# Altium PCB PCB1.PcbDoc (part 1 of 3)
Units mm, origin at the board's own origin, x right, y up, seen from the top; angles counter-clockwise.
Board outline 165.85 x 112.86 mm, 4 copper layers (Top Layer, Layer 1, Layer 2, Bottom Layer), stack 0.603 mm thick; 124 components, 136 nets, 510 pads, 68 vias.
Unrouted connection lines stored in the file: 1.
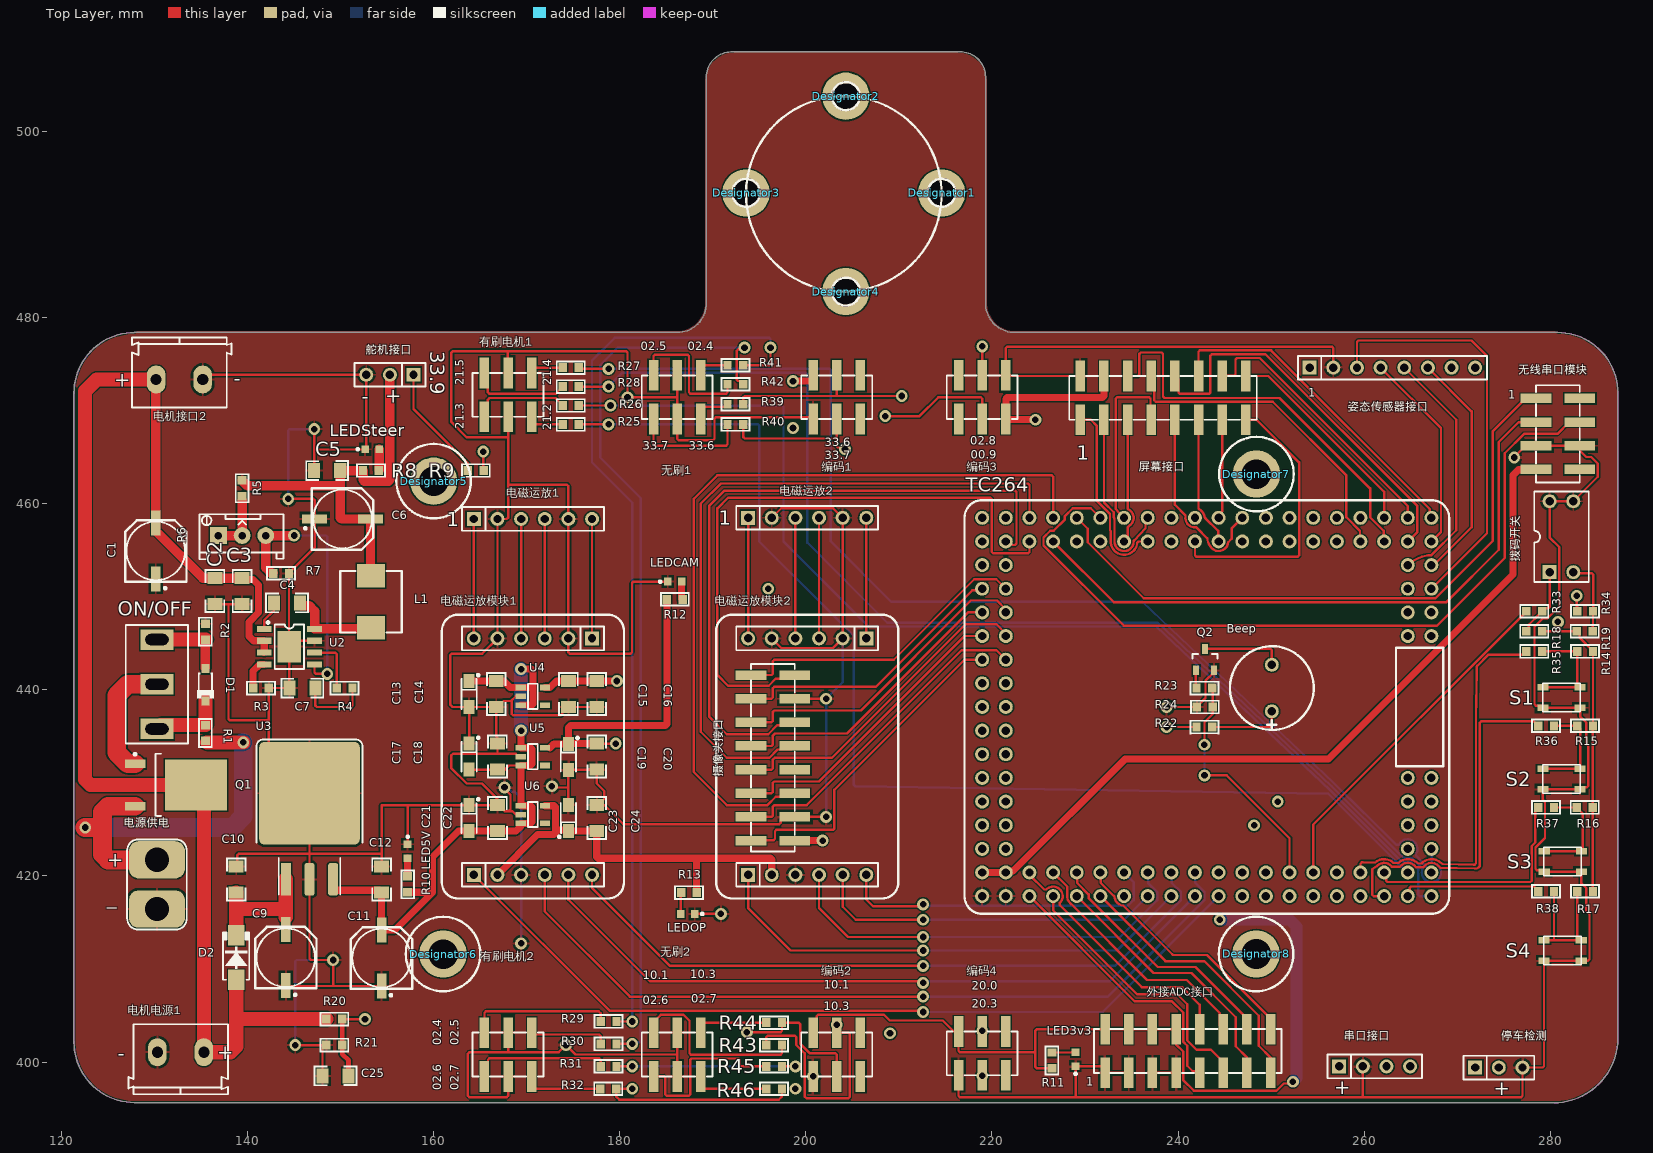
[diagram p0: Top Layer view]
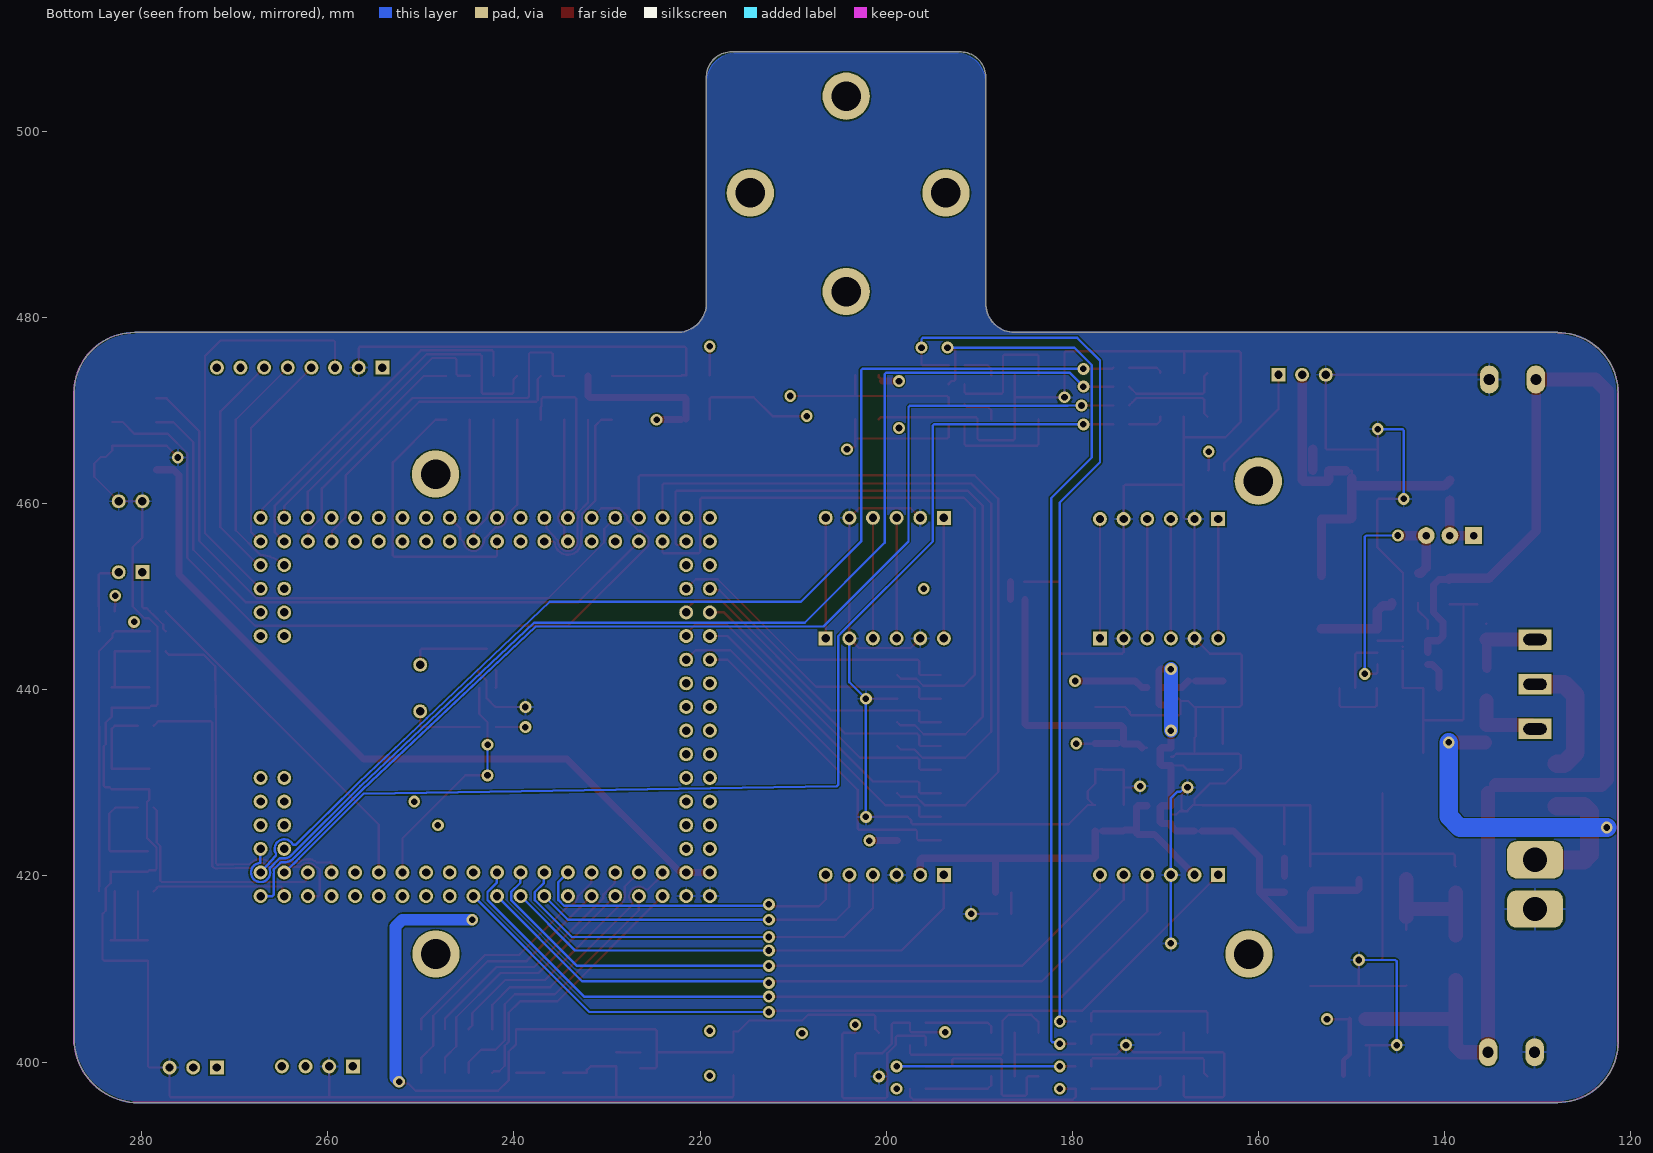
[diagram p1: Bottom Layer view, seen from below]
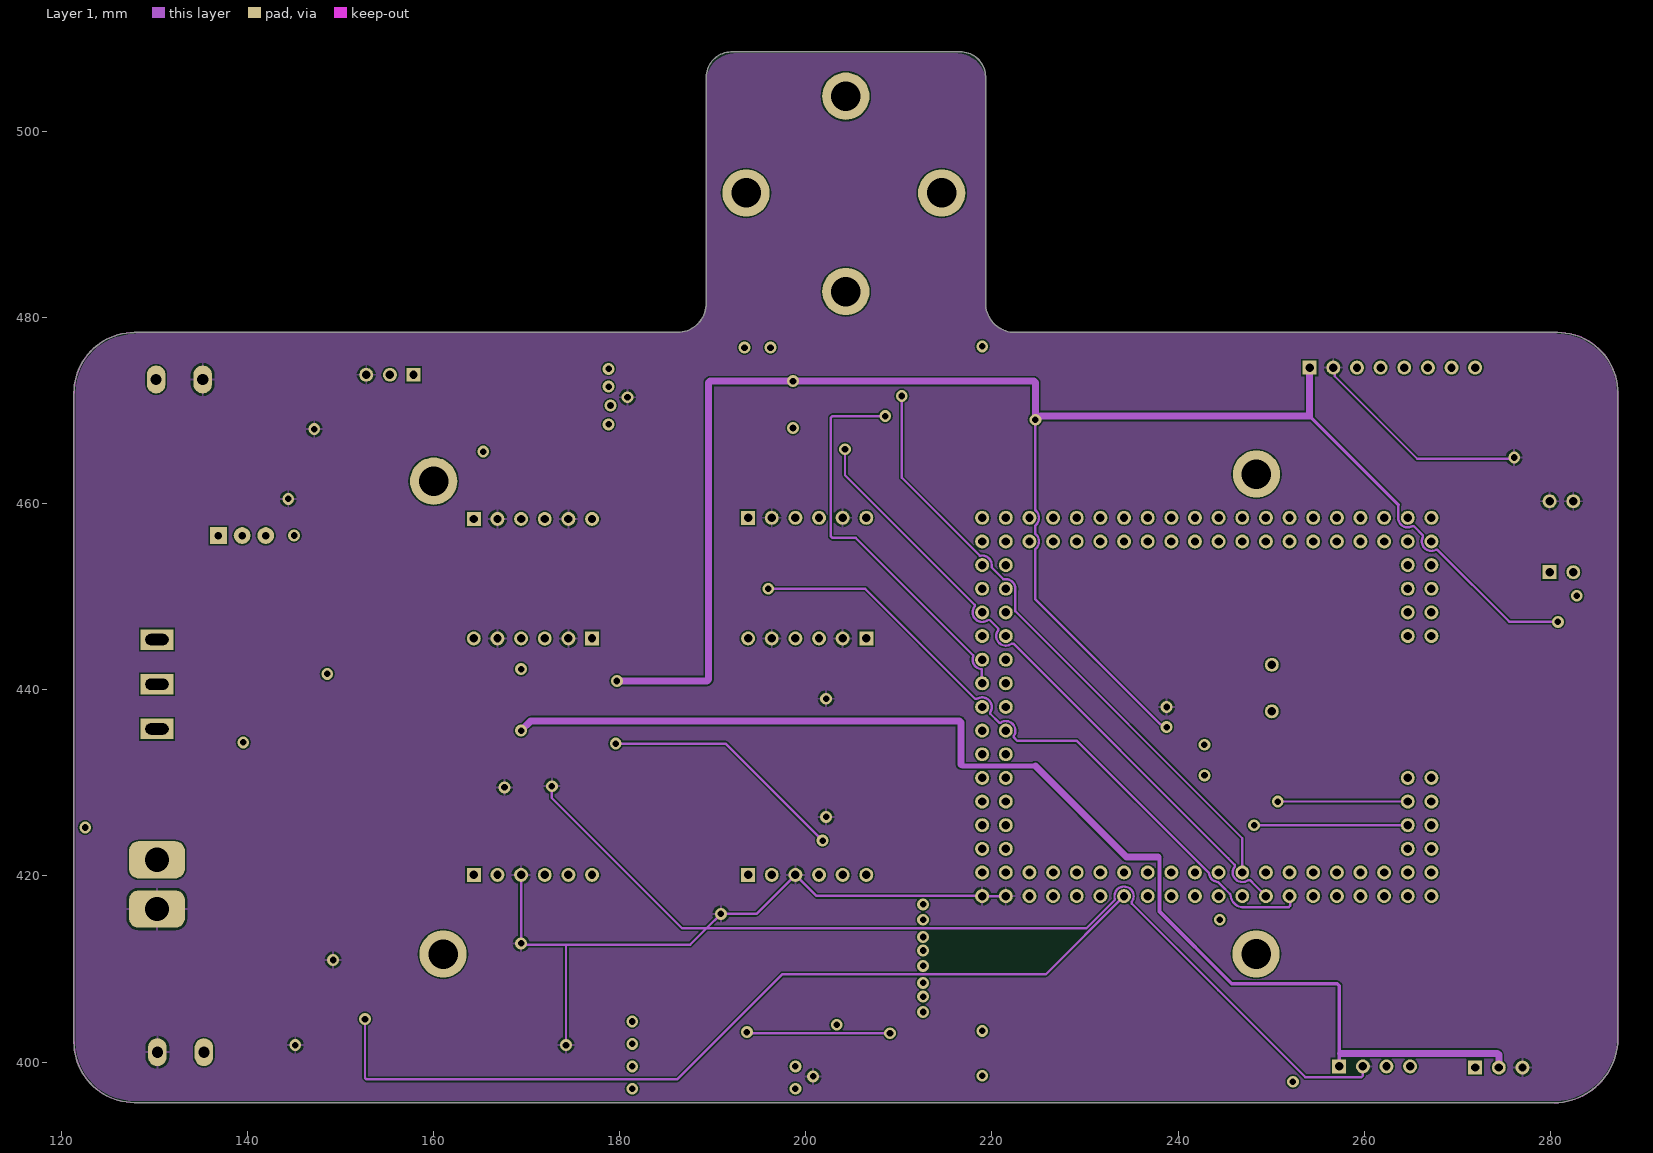
[diagram p2: Layer 1]
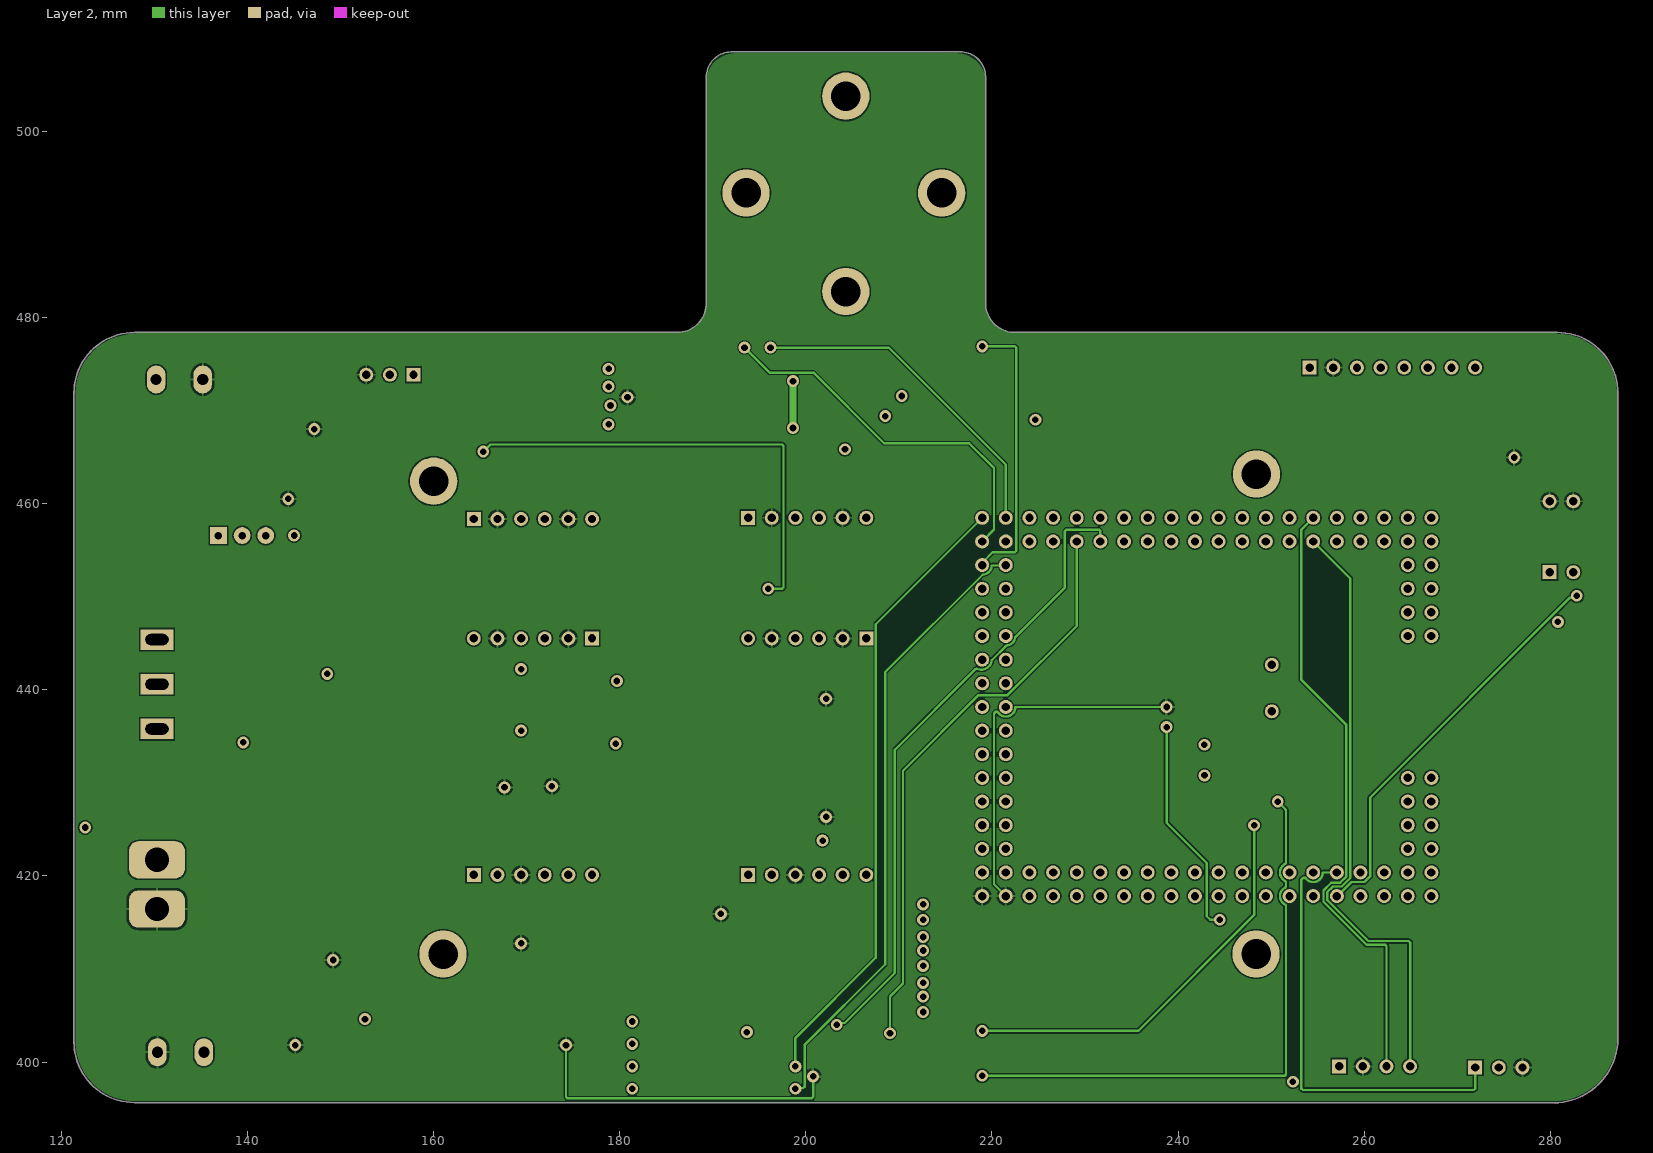
[diagram p3: Layer 2]

## Layer stack, top to bottom
Top Solder: solder mask 0.0102, Solder Resist, Dk 3.5
Top Layer: signal copper 0.0356
Dielectric 2: prepreg 0.0711, PP-006, Dk 4.1
Layer 1: signal copper 0.035
Dielectric 1: dielectric 0.32, FR-4, Dk 4.8
Layer 2: signal copper 0.035
Dielectric 3: prepreg 0.0711, PP-006, Dk 4.1
Bottom Layer: signal copper 0.0356
Bottom Solder: solder mask 0.0102, Solder Resist, Dk 3.5

## Board outline
127.874,395.659 cw(c127.874,402.156) 121.377,402.156 121.377,471.871 cw(c127.874,471.871) 127.874,478.368 127.884,478.378 186.213,478.378 ccw(c186.172,481.515) 189.309,481.556 189.316,481.563 189.316,505.796 cw(c191.998,505.829) 191.964,508.511 215.271,508.511 216.591,508.521 cw(c216.625,505.839) 219.306,505.873 219.306,481.558 219.309,481.556 ccw(c222.486,481.556) 222.486,478.378 280.734,478.378 cw(c280.734,471.881) 287.231,471.881 287.231,401.987 287.211,401.967 cw(c280.289,402.581) 280.903,395.659

## Design rules (kind name [scope] priority, off if disabled: settings)
Clearance [All] p1: gap=0.152 ignorepadtopadclearanceinfootprint=TRUE
MinimumSolderMaskSliver MinimumSolderMaskSliver_chipPin [HasFootprint('TC264_CoreBoard')] p1: minsoldermaskwidth=0
PolygonConnect [All] p1: connectstyle=Relief reliefconductorwidth=0.254 reliefentries=4 polygonreliefangle="90 Angle" airgapwidth=0.254
RoutingVias [All] p1: holewidth=0.711 width=1.27 viastyle="Through Hole" minholewidth=0.711 minwidth=1.27 maxholewidth=0.711 maxwidth=1.27
SMDEntry [All] p1: side=TRUE corner=TRUE anyangle=FALSE
SolderMaskExpansion [All] p1: expansion=0.102 istentingtop=FALSE
UnRoutedNet [All] p1: checkbadconnections=TRUE
Width [All] p1: maxlimit=2.54 minlimit=0.254 preferedwidth=0.254 minimp=50.000000 maximp=50.000000 favimp=50.000000
28 further rules are at their usual default settings.

## Classes and differential pairs
component class Sheet1: B1 C1 C2 C3 C4 C5 C6 C7 C9 C10 C11 C12 C13 C14 C15 C16 C17 C18 C19 C20 C21 C22 C23 C24 C25 D1 D2 L1 LED3v3 LED5V LEDCAM LEDOP LEDSteer ON/OFF P1 P2 P3 P4 P5 P6 P7 P8 P9 P10 P11 P12 P13 P14 P15 P16 P17 P18 Q1 Q2 R1 R2 R3 R4 R5 R6 R7 R8 R9 R10 R11 R12 R13 R14 R15 R16 R17 R18 R19 R20 R21 R22 R23 R24 R25 R26 R27 R28 R29 R30 R31 R32 R33 R34 R35 R36 R37 R38 R39 R40 R41 R42 R43 R44 R45 R46 S1 S2 S3 S4 S5 U2 U3 U4 U5 U6 电机接口2 电机电源1 电源供电 电磁运放模块1 电磁运放模块2 舵机指示灯

## Components (designator, comment, footprint, x,y, rotation, side; value= is the part's Value field where it differs from the comment)
Beep "BEEP" "BEEP 9x5.5mm" 250.063,440.182 r90 top (schematic designator B1)
C1 "220uF 16V" CAPS6.3 130.175,454.914 r270 top value=220uF
C2 "4.7uF ±10% 50V" CAPC3216[1206]S 136.525,450.596 r90 top value=4.7uF
C3 "100nF ±10% 50V" CAPC3216[1206]S 139.446,450.596 r90 top value=100nF
C4 "100nF ±10% 50V" CAPC3216[1206]S 144.272,449.326 r0 top value=100nF
C5 "47uF ±10% 50V" CAPC3216[1206]S 148.59,463.55 r0 top value=47uF
C6 "220uF 16V" CAPS6.3 150.241,458.343 r180 top value=220uF
C7 "4.7uF ±10% 50V" CAPC3216[1206]S 145.92,440.182 r0 top value=4.7uF
C9 "100uF 25V" CAPS6.3 144.145,411.226 r270 top value=100uF
C10 "100nF ±10% 50V" CAPC3216[1206]S 138.811,419.608 r270 top value=100nF
C11 "220uF 16V" CAPS6.3 154.432,411.178 r270 top value=220uF
C12 "100nF ±10% 50V" CAPC3216[1206]S 154.432,419.611 r270 top value=100nF
C13 "10uF 16V" CAPT3216 163.83,439.547 r270 top value=10uF
C14 "100nF ±10% 50V" CAPC3216[1206]S 166.751,439.547 r270 top value=100nF
C15 "100nF ±10% 50V" CAPC3216[1206]S 174.498,439.547 r270 top value=100nF
C16 "100nF ±10% 50V" CAPC3216[1206]S 177.546,439.547 r270 top value=100nF
C17 "10uF 16V" CAPT3216 163.83,432.816 r270 top value=10uF
C18 "100nF ±10% 50V" CAPC3216[1206]S 166.878,432.816 r270 top value=100nF
C19 "10uF 16V" CAPT3216 174.498,432.791 r270 top value=10uF
C20 "100nF ±10% 50V" CAPC3216[1206]S 177.546,432.841 r90 top value=100nF
C21 "10uF 16V" CAPT3216 163.83,426.209 r270 top value=10uF
C22 "100nF ±10% 50V" CAPC3216[1206]S 166.878,426.212 r270 top value=100nF
C23 "10uF 16V" CAPT3216 174.498,426.215 r90 top value=10uF
C24 "100nF ±10% 50V" CAPC3216[1206]S 177.546,426.212 r270 top value=100nF
C25 "100nF ±10% 50V" CAPC3216[1206]S 149.479,398.526 r180 top value=100nF
D1 "BZT52C16" SOD-123-L 135.509,440.535 r270 top
D2 "SS54" SMA[DO-214AC] 138.811,411.226 r90 top
Designator1 "Comment" "M3 125X200" 214.597,493.365 r0 top
Designator2 "Comment" "M3 125X200" 204.302,503.764 r0 top
Designator3 "Comment" "M3 125X200" 193.586,493.365 r0 top
Designator4 "Comment" "M3 125X200" 204.302,482.777 r0 top
Designator5 "Comment" M3x4_L 160.02,462.413 r0 top
Designator6 "Comment" M3x4_L 161.036,411.607 r0 top
Designator7 "Comment" M3x4_L 248.412,463.169 r0 top
Designator8 "Comment" M3x4_L 248.372,411.614 r0 top
L1 "4.7uH 5A" "0630 TPC 7*7*3" 153.289,449.453 r90 top value=4.7uH
LED3v3 "翠绿贴片LED" LEDC1608(0603) 228.981,400.292 r90 top
LED5V "翠绿贴片LED" LEDC1608(0603) 157.226,422.656 r270 top
LEDCAM "翠绿贴片LED" LEDC1608(0603) 185.916,451.612 r0 top
LEDOP "翠绿贴片LED" LEDC1608(0603) 187.325,415.925 r180 top
LEDSteer "翠绿贴片LED" LEDC1608(0603) 153.416,465.836 r0 top
ON/OFF "SW-SPDT" SS12D10 130.302,440.589 r90 top
Q1 "HY19P03" TO-252AA 131.218,429.768 r0 top
Q2 "S8050" SOT-23 242.89,443.237 r90 top
R1 "4.7K ±1%" RESC1608[0603]S-N 135.509,435.356 r90 top value=4.7K
R2 "1K ±1%" RESC1608[0603]S-N 135.509,446.239 r270 top value=1K
R3 "200K ±1%" RESC1608[0603]S-N 141.478,440.182 r180 top value=200K
R4 "20K ±1%" RESC1608[0603]S-N 150.456,440.182 r0 top value=20K
R5 "15K ±1%" RESC1608[0603]S-N 139.446,461.645 r90 top value=15K
R6 "10K" RESPOT3296 139.446,456.565 r0 top
R7 "3.3K ±1%" RESC1608[0603]S-N 143.637,452.501 r180 top value=3.3K
R8 "10K ±1%" RESC1608[0603]S-N 153.289,463.55 r180 top value=10K
R9 "100R ±1%" RESC1608[0603]S-N 164.553,463.55 r180 top value=100R
R10 "2.7K ±1%" RESC1608[0603]S-N 157.226,419.1 r90 top value=2.7K
R11 "2.7K ±1%" RESC1608[0603]S-N 226.441,400.177 r90 top value=2.7K
R12 "2.7K ±1%" RESC1608[0603]S-N 185.928,449.707 r0 top value=2.7K
R13 "2.7K ±1%" RESC1608[0603]S-N 187.452,418.211 r180 top value=2.7K
R14 "4.7K ±1%" RESC1608[0603]S-N 283.718,444.119 r180 top value=4.7K
R15 "4.7K ±1%" RESC1608[0603]S-N 283.718,436.118 r180 top value=4.7K
R16 "4.7K ±1%" RESC1608[0603]S-N 283.679,427.355 r180 top value=4.7K
R17 "4.7K ±1%" RESC1608[0603]S-N 283.718,418.338 r180 top value=4.7K
R18 "4.7K ±1%" RESC1608[0603]S-N 278.257,446.278 r180 top value=4.7K
R19 "4.7K ±1%" RESC1608[0603]S-N 283.679,446.278 r0 top value=4.7K
R20 "30K ±1%" RESC1608[0603]S-N 149.352,404.622 r0 top value=30K
R21 "10K ±1%" RESC1608[0603]S-N 149.352,401.828 r180 top value=10K
R22 "10R ±1%" RESC1608[0603]S-N 242.824,435.991 r0 top value=10R
R23 "4.7K ±1%" RESC1608[0603]S-N 242.824,440.182 r180 top value=4.7K
R24 "10K ±1%" RESC1608[0603]S-N 242.863,438.15 r180 top value=10K
R25 "100R ±1%" RESC1608[0603]S-N 174.752,468.503 r180 top value=100R
R26 "100R ±1%" RESC1608[0603]S-N 174.752,470.535 r0 top value=100R
R27 "100R ±1%" RESC1608[0603]S-N 174.752,474.599 r180 top value=100R
R28 "100R ±1%" RESC1608[0603]S-N 174.752,472.567 r0 top value=100R
R29 "100R ±1%" RESC1608[0603]S-N 178.816,404.368 r180 top value=100R
R30 "100R ±1%" RESC1608[0603]S-N 178.816,401.955 r0 top value=100R
R31 "100R ±1%" RESC1608[0603]S-N 178.816,399.542 r180 top value=100R
R32 "100R ±1%" RESC1608[0603]S-N 178.777,397.129 r0 top value=100R
R33 "470R ±1%" RESC1608[0603]S-N 278.257,448.437 r180 top value=470R
R34 "470R ±1%" RESC1608[0603]S-N 283.718,448.437 r180 top value=470R
R35 "470R ±1%" RESC1608[0603]S-N 278.257,444.119 r180 top value=470R
R36 "470R ±1%" RESC1608[0603]S-N 279.527,436.118 r180 top value=470R
R37 "470R ±1%" RESC1608[0603]S-N 279.527,427.355 r180 top value=470R
R38 "470R ±1%" RESC1608[0603]S-N 279.527,418.338 r180 top value=470R
R39 "100R ±1%" RESC1608[0603]S-N 192.446,470.662 r180 top value=100R
R40 "100R ±1%" RESC1608[0603]S-N 192.444,468.503 r0 top value=100R
R41 "100R ±1%" RESC1608[0603]S-N 192.444,474.853 r180 top value=100R
R42 "100R ±1%" RESC1608[0603]S-N 192.444,472.821 r0 top value=100R
R43 "100R ±1%" RESC1608[0603]S-N 196.596,401.828 r0 top value=100R
R44 "100R ±1%" RESC1608[0603]S-N 196.596,404.241 r0 top value=100R
R45 "100R ±1%" RESC1608[0603]S-N 196.596,399.542 r180 top value=100R
R46 "100R ±1%" RESC1608[0603]S-N 196.596,397.129 r0 top value=100R
S1 "Button" PTS810-3*4-CurvePin 281.178,439.166 r0 top
S2 "Button" PTS810-3*4-CurvePin 281.178,430.403 r0 top
S3 "Button" PTS810-3*4-CurvePin 281.32,421.535 r0 top
S4 "Button" PTS810-3*4-CurvePin 281.305,411.988 r0 top
TC264 "TC264_CoreBoard" TC264_CoreBoard 218.948,417.83 r90 top
U2 "SCT2450" SOP-8E 144.526,444.627 r0 top
U3 "SPX2940-5.0" TO-263-3 146.685,424.256 r0 top
U4 "RT9013-33" SOT-23-5 170.688,439.293 r0 top
U5 "RT9013-33" SOT-23-5 170.688,432.816 r0 top
U6 "RT9013-33" SOT-23-5 170.688,426.593 r0 top
串口接口 "Header 4" HDR1X4 257.302,399.542 r0 top (schematic designator P16)
停车检测 "Header 3" HDR1X3 271.907,399.415 r0 top (schematic designator P17)
外接ADC接口 "Header 8X2" HDR2X8-M-SMT 241.046,401.193 r0 top (schematic designator P10)
姿态传感器接口 "Header 8" HDR1X8 254.127,474.599 r0 top (schematic designator P4)
屏幕接口 "Header 8X2" HDR2X8-M-SMT 238.379,471.361 r0 top (schematic designator P3)
拨码开关 "SW DIP-2" "Code SW-2-DIP-2.54" 281.178,456.438 r0 top (schematic designator S5)
摄像头接口 "Header 8X2" HDR2X8-M-SMT 196.469,432.689 r270 top (schematic designator P5)
无刷1 "Header 3X2" HDR2X3-M-SMT 186.182,471.424 r0 top (schematic designator P1)
无刷2 "Header 3X2" HDR2X3-M-SMT 186.182,400.812 r180 top (schematic designator P2)
无线串口模块 "Header 4X2" Female-Header-2.54-SMD-8 280.797,467.487 r0 top (schematic designator P15)
有刷电机1 "Header 3X2" HDR2X3-M-SMT 168.021,471.678 r0 top (schematic designator P11)
有刷电机2 "Header 3X2" HDR2X3-M-SMT 168.021,400.812 r180 top (schematic designator P12)
电机接口2 "KF/WJ/DG 30x connecter" "KF/WJ/DG 301-2p-5.0mm" 132.715,473.329 r180 top
电机电源1 "KF/WJ/DG 30x connecter" "KF/WJ/DG 301-2p-5.0mm" 132.842,401.066 r0 top